# Allegro board LAY-31407_C2.brd (continued)
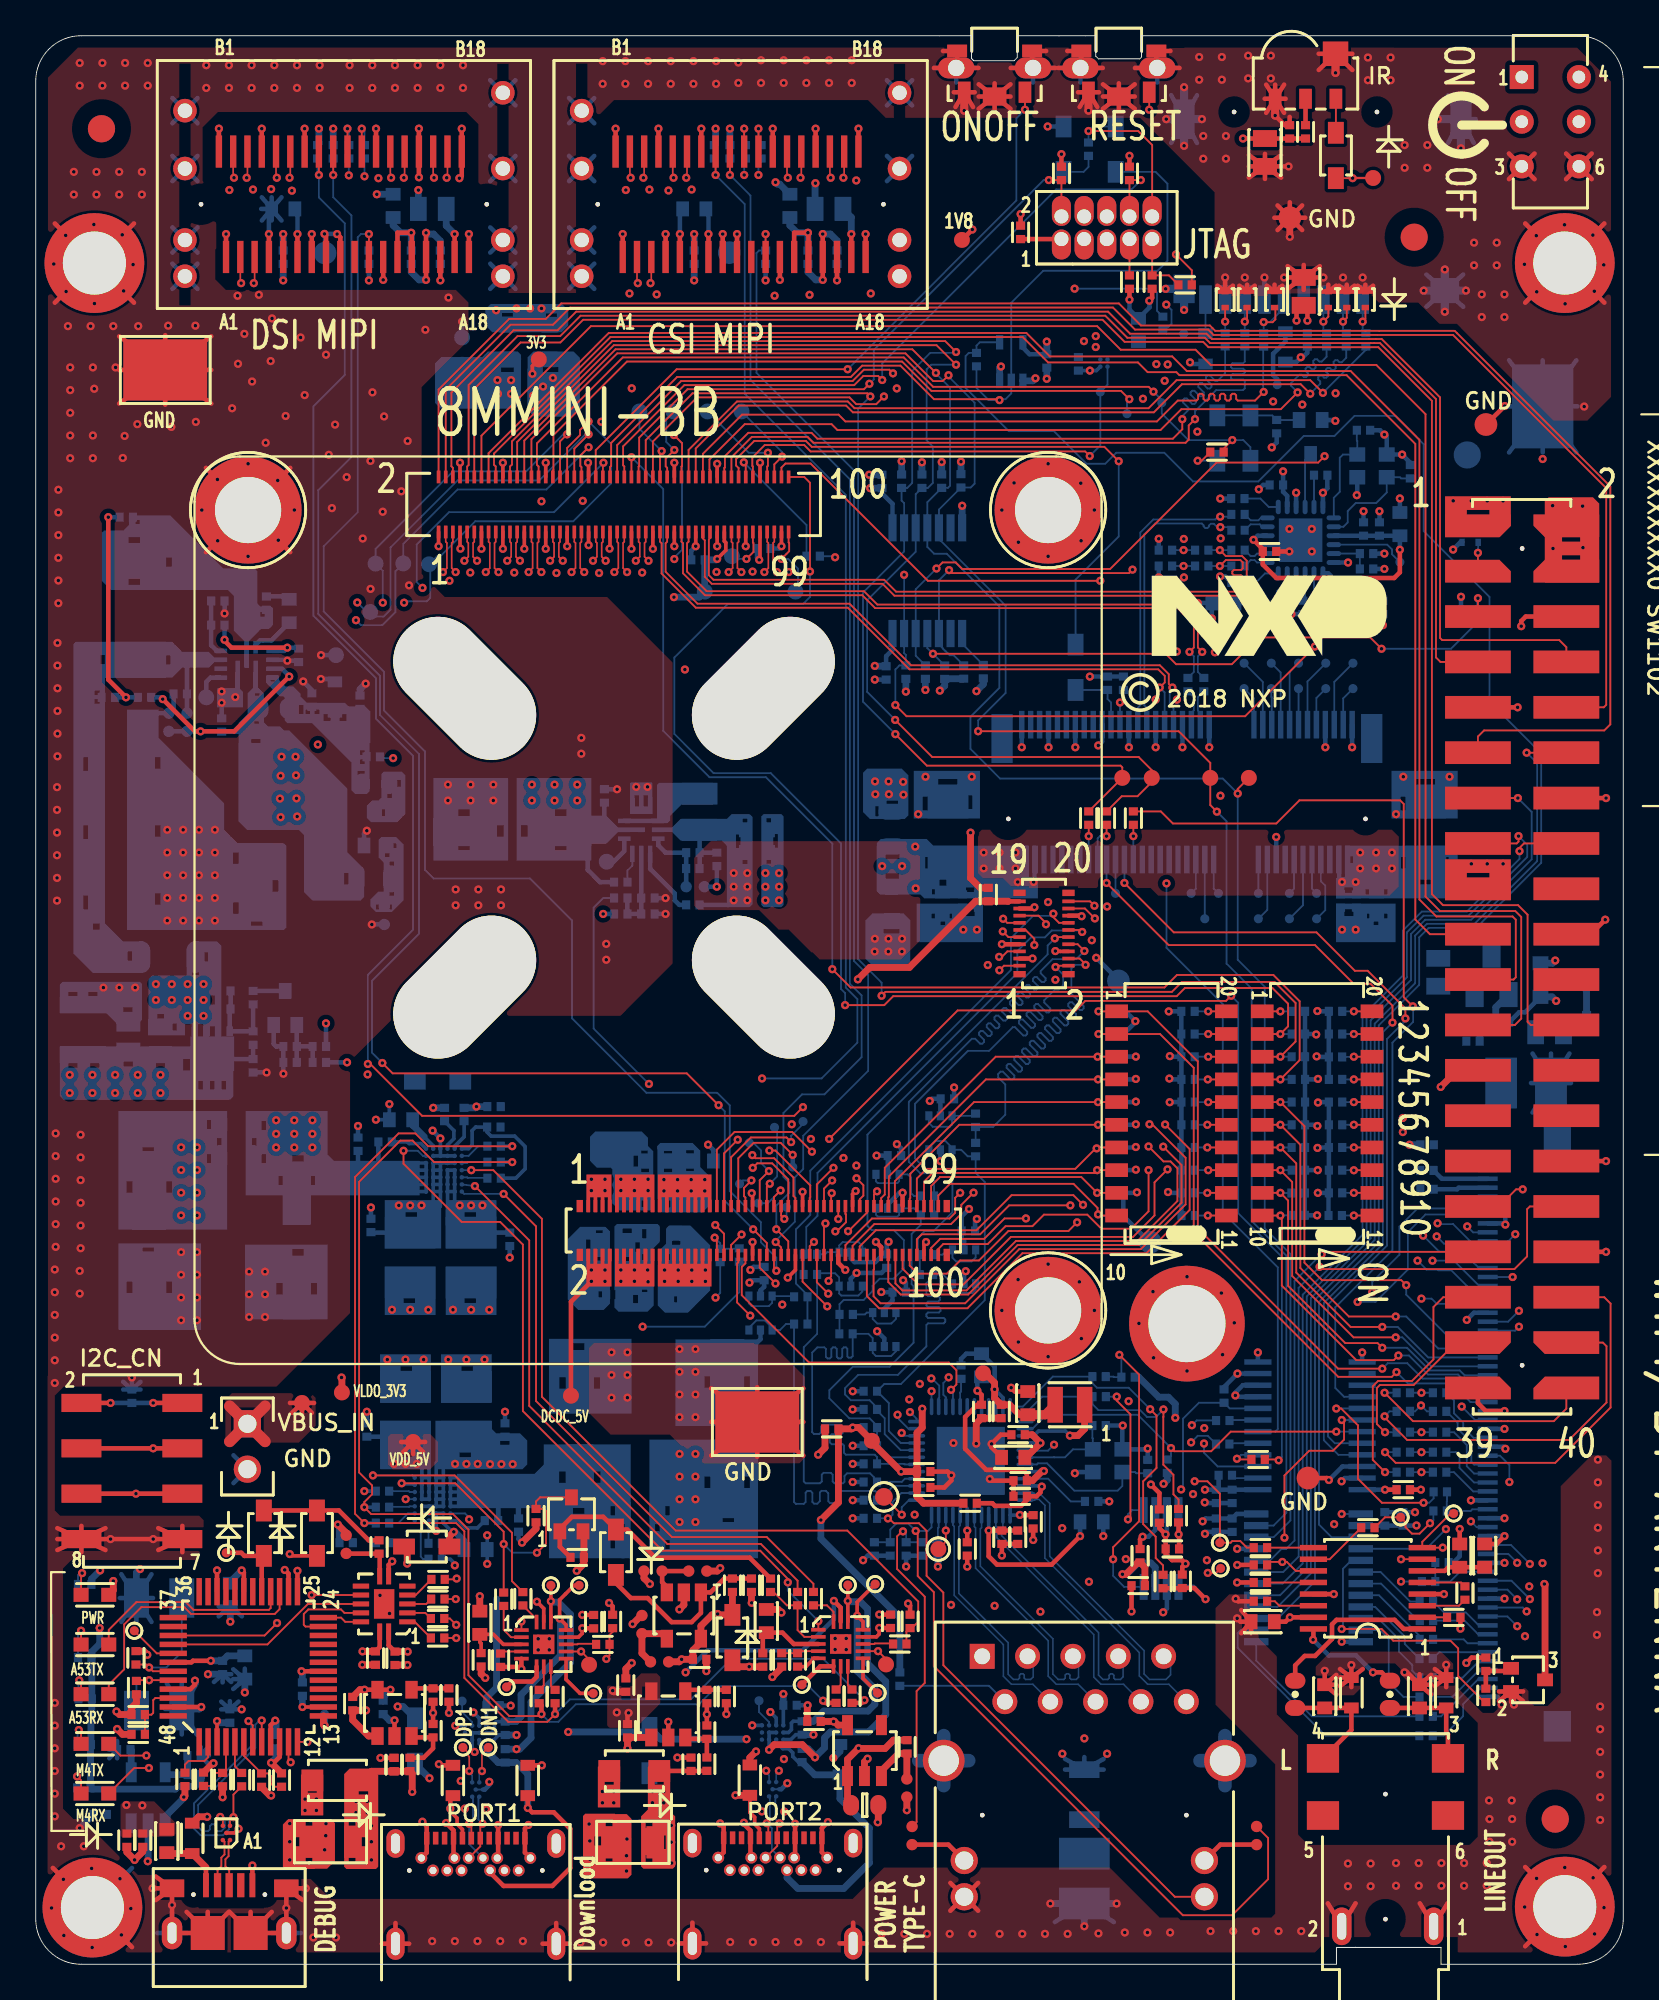
[diagram p0: board, top side]
## Routing (per net, layer and track width the routed paths; a pad name or vN(x,y) marks a point on that pad's centre or on a via; arc(x,y) is an arc through that point) (continued)
  L4_POWER_1 w0.254: 45.04,6.78 J302.SH2 ; J302.SH2 45.77,7.81 ; J302.SH2 46.51,6.78 ; J302.SH2 45.77,5.75 ; 1.07,93.01 BH1201.1 ; BH1201.1 1.07,97.44 ; BH1201.1 5.5,97.44 ; BH1201.1 5.5,93.01 ; 52.27,17.97 J501.1 ; J501.1 53.73,16.51 ; J501.1 52.27,16.51 ; J501.1 53.73,17.97 ; 6.81,1.75 J901.S1 ; J901.S1 7.63,2.92 ; J901.S1 8.46,1.75 ; J801.T4 9.06,103.05 ; J801.T4 9.06,104.46 ; J801.T4 7.65,104.46 ; J801.T4 7.65,103.05 ; 28.41,6.76 J301.SH2 ; J301.SH2 29.15,5.73 ; J301.SH2 29.88,6.76 ; J301.SH2 29.15,7.79 ; 21.12,6.42 J301.B12 22.07,6.42 ; J801.T8 26.86,104.05 ; J801.T8 25.45,105.46 ; J801.T8 25.45,104.05 ; J801.T8 26.86,105.46 ; 7.65,93.78 J801.T1 ; J801.T1 9.06,95.19 ; J801.T1 9.06,93.78 ; J801.T1 7.65,95.19 ; 28.17,6.42 J301.B1 27.22,6.42 ; SW902.6 62.8,106.96 ; SW902.6 61.56,106.15 ; SW902.6 62.8,105.33 ; SW902.6 64.05,106.15 ; J302.SH3 36.77,2.33 ; J302.SH3 37.54,1.17 ; J302.SH3 36.01,1.17 ; 11.08,28.49 J101.2 ; J101.2 12.63,26.94 ; J101.2 11.08,26.94 ; J101.2 12.63,28.49 ; 79.06,3.41 J401.1 77.51,3.41 ; BH1203.1 5.39,5.39 ; BH1203.1 5.39,0.96 ; BH1203.1 0.96,5.39 ; SW901.6 57.09,106.15 ; SW901.6 54.6,106.15 ; SW901.6 55.85,106.96 ; SW901.6 55.85,105.33 ; 47.67,105.46 J802.T8 ; J802.T8 49.08,104.05 ; J802.T8 47.67,104.05 ; J802.T8 49.08,105.46 ; 73.91,3.41 J401.2 72.36,3.41 ; 20.15,5.73 J301.SH1 ; J301.SH1 20.88,6.76 ; J301.SH1 20.15,7.79 ; J301.SH1 19.41,6.76 ; J302.SH4 45.77,2.33 ; J302.SH4 45.01,1.17 ; J302.SH4 46.54,1.17 ; J501.12 52.77,4.55 ; J501.12 51.22,4.55 ; J501.12 51.22,3 ; J501.12 52.77,3 ; J801.T3 9.06,99.81 ; J801.T3 9.06,101.22 ; J801.T3 7.65,101.22 ; J801.T3 7.65,99.81 ; J302.SH1 37.51,6.78 ; J302.SH1 36.77,7.81 ; J302.SH1 36.77,5.75 ; 82.5,101.35 SW101.3 ; SW101.3 83.93,101.35 ; SW101.3 83.93,99.92 ; 83.41,97.44 BH1202.1 ; BH1202.1 87.84,97.44 ; BH1202.1 87.84,93.01 ; 83.41,1.01 BH1204.1 ; BH1204.1 83.41,5.44 ; BH1204.1 87.84,5.44 ; 38.69,6.44 J302.B12 37.75,6.44 ; 50.3,106.15 SW901.7 ; SW901.7 52.79,106.15 ; SW901.7 51.55,106.96 ; SW901.7 51.55,105.33 ; J301.SH4 29.15,2.31 ; J301.SH4 29.91,1.15 ; J301.SH4 28.38,1.15 ; J301.SH3 20.91,1.15 ; J301.SH3 20.15,2.31 ; J301.SH3 19.38,1.15 ; 85.7,99.92 SW101.6 ; SW101.6 87.13,101.35 ; SW101.6 85.7,101.35 ; SW101.6 87.13,99.92 ; 29.87,104.46 J802.T4 31.28,104.46 ; 44.79,6.44 J302.B1 43.85,6.44 ; J801.T2 9.06,95.81 ; J801.T2 7.65,95.81 ; J801.T2 9.06,97.22 ; J801.T2 7.65,97.22 ; SW902.7 59.75,106.15 ; SW902.7 58.5,105.33 ; SW902.7 58.5,106.96 ; SW902.7 57.26,106.15 ; J901.S2 14.86,1.75 ; J901.S2 14.03,2.92 ; J901.S2 13.21,1.75
  L5_POWER_2 w0.254: J802.T2 31.28,95.81 ; J802.T2 29.87,95.81 ; J802.T2 29.87,97.22 ; J802.T2 31.28,97.22 ; J802.T5 49.08,93.78 ; J802.T5 49.08,95.19 ; J802.T5 47.67,95.19 ; J802.T5 47.67,93.78 ; J801.T4 9.06,103.05 ; J801.T4 7.65,103.05 ; J801.T4 7.65,104.46 ; J801.T4 9.06,104.46 ; BH1202.1 87.84,93.01 ; BH1202.1 83.41,97.44 ; BH1202.1 83.41,93.01 ; BH1202.1 87.84,97.44 ; 51.55,105.33 SW901.7 ; SW901.7 51.55,106.96 ; SW901.7 52.79,106.15 ; SW901.7 50.3,106.15 ; J302.SH4 45.77,2.33 ; J302.SH4 46.54,1.17 ; J302.SH4 45.01,1.17 ; 29.87,101.22 J802.T3 ; J802.T3 31.28,99.81 ; J802.T3 31.28,101.22 ; J802.T3 29.87,99.81 ; 7.65,99.81 J801.T3 ; J801.T3 7.65,101.22 ; J801.T3 9.06,101.22 ; J801.T3 9.06,99.81 ; J801.T2 9.06,97.22 ; J801.T2 7.65,95.81 ; J801.T2 7.65,97.22 ; J801.T2 9.06,95.81 ; 82.5,99.92 SW101.3 ; SW101.3 82.5,101.35 ; SW101.3 83.93,99.92 ; SW101.3 83.93,101.35 ; 25.45,105.46 J801.T8 ; J801.T8 26.86,104.05 ; J801.T8 26.86,105.46 ; J801.T8 25.45,104.05 ; 57.95,95.2 J902.3 59.47,95.2 ; J802.T1 31.28,95.19 ; J802.T1 29.87,93.78 ; J802.T1 29.87,95.19 ; J802.T1 31.28,93.78 ; 72.36,3.41 J401.2 73.91,3.41 ; 1.07,97.44 BH1201.1 ; BH1201.1 5.5,97.44 ; BH1201.1 5.5,93.01 ; BH1201.1 1.07,93.01 ; J802.T8 49.08,104.05 ; J802.T8 47.67,105.46 ; J802.T8 47.67,104.05 ; J802.T8 49.08,105.46 ; J801.T5 26.86,93.78 ; J801.T5 25.45,95.19 ; J801.T5 25.45,93.78 ; J801.T5 26.86,95.19 ; J302.SH3 36.77,2.33 ; J302.SH3 36.01,1.17 ; J302.SH3 37.54,1.17 ; 60.74,95.2 J902.5 59.22,95.2 ; 7.65,95.19 J801.T1 ; J801.T1 9.06,95.19 ; J801.T1 9.06,93.78 ; J801.T1 7.65,93.78 ; 77.51,3.41 J401.1 79.06,3.41 ; J802.T4 31.28,104.46 ; J802.T4 29.87,103.05 ; J802.T4 31.28,103.05 ; J802.T4 29.87,104.46 ; 62.8,105.33 SW902.6 ; SW902.6 62.8,106.96 ; SW902.6 64.05,106.15 ; SW902.6 61.56,106.15 ; J301.SH4 29.15,2.31 ; J301.SH4 28.38,1.15 ; J301.SH4 29.91,1.15 ; J801.T7 26.86,101.22 ; J801.T7 25.45,101.22 ; J801.T7 25.45,99.81 ; J801.T7 26.86,99.81 ; SW101.6 87.13,101.35 ; SW101.6 87.13,99.92 ; SW101.6 85.7,99.92 ; SW101.6 85.7,101.35 ; BH1203.1 5.39,5.39 ; BH1203.1 5.39,0.96 ; BH1203.1 0.96,5.39 ; J802.T6 49.08,95.81 ; J802.T6 47.67,95.81 ; J802.T6 49.08,97.22 ; J802.T6 47.67,97.22 ; 47.67,99.81 J802.T7 ; J802.T7 47.67,101.22 ; J802.T7 49.08,101.22 ; J802.T7 49.08,99.81 ; J801.T6 26.86,95.81 ; J801.T6 25.45,95.81 ; J801.T6 26.86,97.22 ; J801.T6 25.45,97.22 ; SW901.6 57.09,106.15 ; SW901.6 55.85,105.33 ; SW901.6 55.85,106.96 ; SW901.6 54.6,106.15 ; 19.38,1.15 J301.SH3 ; J301.SH3 20.15,2.31 ; J301.SH3 20.91,1.15 ; SW902.7 58.5,106.96 ; SW902.7 57.26,106.15 ; SW902.7 58.5,105.33 ; SW902.7 59.75,106.15 ; BH1204.1 87.84,5.44 ; BH1204.1 83.41,5.44 ; BH1204.1 83.41,1.01 ; 9.53,83.76 BH1209.1 ; BH1209.1 14.25,83.76 ; BH1209.1 9.53,79.04 ; BH1209.1 14.25,79.04 ; 13.21,1.75 J901.S2 ; J901.S2 14.03,2.92 ; J901.S2 14.86,1.75 ; J501.12 52.77,4.55 ; J501.12 52.77,3 ; J501.12 51.22,4.55 ; J501.12 51.22,3 ; J901.S1 8.46,1.75 ; J901.S1 7.63,2.92 ; J901.S1 6.81,1.75
  L6_IN2 w0.254: SW101.6 87.13,101.35 ; SW101.6 85.7,99.92 ; SW101.6 85.7,101.35 ; SW101.6 87.13,99.92 ; 72.36,3.41 J401.2 73.91,3.41 ; J801.T3 9.06,101.22 ; J801.T3 7.65,99.81 ; J801.T3 9.06,99.81 ; J801.T3 7.65,101.22 ; 83.41,93.01 BH1202.1 ; BH1202.1 87.84,93.01 ; BH1202.1 83.41,97.44 ; BH1202.1 87.84,97.44 ; 61.56,106.15 SW902.6 ; SW902.6 62.8,106.96 ; SW902.6 62.8,105.33 ; SW902.6 64.05,106.15 ; J501.12 52.77,4.55 ; J501.12 51.22,3 ; J501.12 51.22,4.55 ; J501.12 52.77,3 ; 25.45,104.05 J801.T8 ; J801.T8 25.45,105.46 ; J801.T8 26.86,104.05 ; J801.T8 26.86,105.46 ; J801.T4 9.06,104.46 ; J801.T4 9.06,103.05 ; J801.T4 7.65,104.46 ; J801.T4 7.65,103.05 ; 29.87,103.05 J802.T4 ; J802.T4 31.28,104.46 ; J802.T4 29.87,104.46 ; J802.T4 31.28,103.05 ; 47.67,105.46 J802.T8 ; J802.T8 49.08,104.05 ; J802.T8 47.67,104.05 ; J802.T8 49.08,105.46 ; J301.SH2 29.88,6.76 ; J301.SH2 29.15,5.73 ; J301.SH2 28.41,6.76 ; J301.SH2 29.15,7.79 ; J901.S1 8.46,1.75 ; J901.S1 7.63,2.92 ; J901.S1 6.81,1.75 ; 36.01,1.17 J302.SH3 ; J302.SH3 36.77,2.33 ; J302.SH3 37.54,1.17 ; 0.96,5.39 BH1203.1 ; BH1203.1 5.39,5.39 ; BH1203.1 5.39,0.96 ; J301.SH3 20.15,2.31 ; J301.SH3 19.38,1.15 ; J301.SH3 20.91,1.15 ; SW902.7 58.5,106.96 ; SW902.7 58.5,105.33 ; SW902.7 59.75,106.15 ; SW902.7 57.26,106.15 ; 20.15,5.73 J301.SH1 ; J301.SH1 20.15,7.79 ; J301.SH1 20.88,6.76 ; J301.SH1 19.41,6.76 ; 82.5,101.35 SW101.3 ; SW101.3 83.93,99.92 ; SW101.3 82.5,99.92 ; SW101.3 83.93,101.35 ; 55.85,105.33 SW901.6 ; SW901.6 57.09,106.15 ; SW901.6 54.6,106.15 ; SW901.6 55.85,106.96 ; J302.SH4 46.54,1.17 ; J302.SH4 45.77,2.33 ; J302.SH4 45.01,1.17 ; 43.85,6.44 J302.B1 44.79,6.44 ; 27.22,6.42 J301.B1 28.17,6.42 ; 13.21,1.75 J901.S2 ; J901.S2 14.86,1.75 ; J901.S2 14.03,2.92 ; BH1204.1 87.84,5.44 ; BH1204.1 83.41,5.44 ; BH1204.1 83.41,1.01 ; SW901.7 51.55,106.96 ; SW901.7 51.55,105.33 ; SW901.7 52.79,106.15 ; SW901.7 50.3,106.15 ; J302.SH1 36.77,7.81 ; J302.SH1 36.77,5.75 ; J302.SH1 37.51,6.78 ; 38.69,6.44 J302.B12 37.75,6.44 ; 1.07,93.01 BH1201.1 ; BH1201.1 1.07,97.44 ; BH1201.1 5.5,93.01 ; BH1201.1 5.5,97.44 ; 45.04,6.78 J302.SH2 ; J302.SH2 46.51,6.78 ; J302.SH2 45.77,7.81 ; J302.SH2 45.77,5.75 ; J301.SH4 29.91,1.15 ; J301.SH4 28.38,1.15 ; J301.SH4 29.15,2.31 ; 77.51,3.41 J401.1 79.06,3.41 ; 53.73,16.51 J501.1 52.27,16.51 ; 22.07,6.42 J301.B12 21.12,6.42
  L7_GND2 w0.254: BH1208.1 59.05,38.96 ; BH1208.1 54.33,34.24 ; BH1208.1 59.05,34.24 ; BH1208.1 54.33,38.96 ; 57.26,106.15 SW902.7 ; SW902.7 58.5,106.96 ; SW902.7 59.75,106.15 ; SW902.7 58.5,105.33 ; 85.7,99.92 SW101.6 ; SW101.6 87.13,101.35 ; SW101.6 87.13,99.92 ; SW101.6 85.7,101.35 ; J801.T8 26.86,105.46 ; J801.T8 25.45,105.46 ; J801.T8 26.86,104.05 ; J801.T8 25.45,104.05 ; 29.87,95.19 J802.T1 ; J802.T1 31.28,93.78 ; J802.T1 31.28,95.19 ; J802.T1 29.87,93.78 ; J802.T5 49.08,93.78 ; J802.T5 49.08,95.19 ; J802.T5 47.67,95.19 ; J802.T5 47.67,93.78 ; 59.22,95.2 J902.5 60.74,95.2 ; 62.04,33.43 BH1206.1 ; BH1206.1 62.04,38.29 ; BH1206.1 66.89,38.29 ; BH1206.1 66.89,33.43 ; 9.53,83.76 BH1209.1 ; BH1209.1 9.53,79.04 ; BH1209.1 14.25,79.04 ; BH1209.1 14.25,83.76 ; J801.T2 9.06,97.22 ; J801.T2 7.65,97.22 ; J801.T2 9.06,95.81 ; J801.T2 7.65,95.81 ; J501.12 52.77,4.55 ; J501.12 52.77,3 ; J501.12 51.22,3 ; J501.12 51.22,4.55 ; 36.01,1.17 J302.SH3 ; J302.SH3 37.54,1.17 ; J302.SH3 36.77,2.33 ; BH1201.1 5.5,93.01 ; BH1201.1 1.07,97.44 ; BH1201.1 1.07,93.01 ; BH1201.1 5.5,97.44 ; 7.65,93.78 J801.T1 ; J801.T1 9.06,95.19 ; J801.T1 7.65,95.19 ; J801.T1 9.06,93.78 ; 54.33,83.76 BH1207.1 ; BH1207.1 59.05,79.04 ; BH1207.1 59.05,83.76 ; BH1207.1 54.33,79.04 ; BH1202.1 87.84,97.44 ; BH1202.1 83.41,97.44 ; BH1202.1 83.41,93.01 ; BH1202.1 87.84,93.01 ; 29.87,103.05 J802.T4 ; J802.T4 29.87,104.46 ; J802.T4 31.28,103.05 ; J802.T4 31.28,104.46 ; J301.SH4 29.15,2.31 ; J301.SH4 29.91,1.15 ; J301.SH4 28.38,1.15 ; 11.08,28.49 J101.2 ; J101.2 11.08,26.94 ; J101.2 12.63,28.49 ; J101.2 12.63,26.94 ; SW901.6 57.09,106.15 ; SW901.6 54.6,106.15 ; SW901.6 55.85,106.96 ; SW901.6 55.85,105.33 ; J301.SH3 20.91,1.15 ; J301.SH3 19.38,1.15 ; J301.SH3 20.15,2.31 ; J302.SH2 46.51,6.78 ; J302.SH2 45.04,6.78 ; J302.SH2 45.77,7.81 ; J302.SH2 45.77,5.75 ; BH1203.1 5.39,5.39 ; BH1203.1 0.96,5.39 ; BH1203.1 5.39,0.96 ; 47.67,99.81 J802.T7 ; J802.T7 49.08,99.81 ; J802.T7 49.08,101.22 ; J802.T7 47.67,101.22 ; J801.T7 26.86,99.81 ; J801.T7 25.45,99.81 ; J801.T7 25.45,101.22 ; J801.T7 26.86,101.22 ; 52.27,16.51 J501.1 ; J501.1 52.27,17.97 ; J501.1 53.73,17.97 ; J501.1 53.73,16.51 ; J802.T8 49.08,105.46 ; J802.T8 47.67,105.46 ; J802.T8 47.67,104.05 ; J802.T8 49.08,104.05 ; 7.65,104.46 J801.T4 ; J801.T4 7.65,103.05 ; J801.T4 9.06,104.46 ; J801.T4 9.06,103.05 ; 22.07,6.42 J301.B12 21.12,6.42 ; 73.91,3.41 J401.2 72.36,3.41 ; J302.SH1 37.51,6.78 ; J302.SH1 36.77,7.81 ; J302.SH1 36.77,5.75 ; J901.S1 7.63,2.92 ; J901.S1 6.81,1.75 ; J901.S1 8.46,1.75 ; 59.47,95.2 J902.3 57.95,95.2 ; J802.T2 31.28,95.81 ; J802.T2 29.87,95.81 ; J802.T2 31.28,97.22 ; J802.T2 29.87,97.22 ; J801.T3 9.06,101.22 ; J801.T3 9.06,99.81 ; J801.T3 7.65,99.81 ; J801.T3 7.65,101.22 ; 79.06,3.41 J401.1 77.51,3.41 ; 25.45,95.19 J801.T5 ; J801.T5 25.45,93.78 ; J801.T5 26.86,93.78 ; J801.T5 26.86,95.19 ; SW902.6 62.8,106.96 ; SW902.6 61.56,106.15 ; SW902.6 64.05,106.15 ; SW902.6 62.8,105.33 ; J302.SH4 46.54,1.17 ; J302.SH4 45.77,2.33 ; J302.SH4 45.01,1.17 ; 47.67,97.22 J802.T6 ; J802.T6 47.67,95.81 ; J802.T6 49.08,97.22 ; J802.T6 49.08,95.81 ; 29.87,99.81 J802.T3 ; J802.T3 31.28,101.22 ; J802.T3 29.87,101.22 ; J802.T3 31.28,99.81 ; J301.SH2 29.15,7.79 ; J301.SH2 29.88,6.76 ; J301.SH2 28.41,6.76 ; J301.SH2 29.15,5.73 ; J901.S2 14.03,2.92 ; J901.S2 13.21,1.75 ; J901.S2 14.86,1.75 ; 25.45,95.81 J801.T6 ; J801.T6 25.45,97.22 ; J801.T6 26.86,95.81 ; J801.T6 26.86,97.22 ; 37.75,6.44 J302.B12 38.69,6.44 ; SW901.7 52.79,106.15 ; SW901.7 50.3,106.15 ; SW901.7 51.55,105.33 ; SW901.7 51.55,106.96 ; SW101.3 83.93,99.92 ; SW101.3 83.93,101.35 ; SW101.3 82.5,99.92 ; SW101.3 82.5,101.35 ; 43.85,6.44 J302.B1 44.79,6.44 ; 20.15,5.73 J301.SH1 ; J301.SH1 20.15,7.79 ; J301.SH1 19.41,6.76 ; J301.SH1 20.88,6.76 ; 83.41,5.44 BH1204.1 ; BH1204.1 87.84,5.44 ; BH1204.1 83.41,1.01 ; 27.22,6.42 J301.B1 28.17,6.42
  BOTTOM w0.102: 41.65,9.8 U309.B1 ; 25.04,9.78 U307.B1
  BOTTOM w0.203: U310.B3 41.47,13.79 v1(41.14,14.12) ; v1(23.47,22.33) 23.42,22.38 23.42,22.47 23.22,22.67 R328.1 C316.2 ; U310.D3 v1(40.12,13.37) ; U305.B4 U305.B3 U305.B2 ; U305.B4 U305.B5 ; U305.B4 U305.A4 v1(22.66,46.23) ; U308.B3 24.84,13.77 v1(24.51,14.1) ; U302.B4 U302.A4 v1(22.42,24.26) ; U302.B4 U302.B3 U302.B2 ; U302.B4 U302.B5 ; U308.D3 v1(23.5,13.35) ; C702.2 v1(59.03,89.21) 59.4,89.21 U702.B2 ; v1(25.28,22.41) C317.2 v1(25.28,24.01) ; v1(19.8,48.15) C334.2 v1(19.05,47.27) ; R329.1 v1(18.4,26.48)
  BOTTOM w0.254: R1130.2 61.58,46.99 v1(61.6,47.02) ; Q604.2 72.73,86.44 v1(72.78,86.39) ; BH1201.1 5.5,97.44 ; BH1201.1 1.07,93.01 ; BH1201.1 1.07,97.44 ; BH1201.1 5.5,93.01 ; v1(72.41,27.11) 73.17,27.86 U202.22 ; U507.2 51.99,38.7 v1(52.08,38.79) ; 9.53,83.76 BH1209.1 14.25,83.76 ; Y601.4 74,82.26 v1(73.98,82.23) ; TP1203.1 84.39,89.78 ; TP1203.1 82.51,84.62 ; TP1203.1 86.33,87.2 ; TP1203.1 82.51,89.78 ; TP1203.1 86.27,89.78 ; TP1203.1 86.27,84.62 ; TP1203.1 84.39,84.62 ; TP1203.1 82.44,87.2 ; TP1204.1 60.63,55.09 v1(59.39,56.34) ; J302.SH4 46.54,1.17 ; J302.SH4 45.77,2.33 ; J302.SH4 45.01,1.17 ; U202.9 67.25,31.76 v1(67.18,31.84) 67.18,32 67.59,32.41 U202.10 ; J801.T6 26.86,97.22 ; J801.T6 26.86,95.81 ; J801.T6 25.45,97.22 ; J801.T6 25.45,95.81 ; 9.98,15.8 C910.2 ; C910.2 10.95,15.8 ; C910.2 10.95,16.24 ; C910.2 10.46,15.78 ; R522.2 v1(45.75,26.99) ; SW902.7 58.5,106.96 ; SW902.7 59.75,106.15 ; SW902.7 58.5,105.33 ; SW902.7 57.26,106.15 ; TP911.1 v1(15.98,73.28) ; v1(61.6,49.56) 61.58,49.53 R1126.2 ; J701.12 80.63,103.28 ; J701.12 79.81,104.62 ; J701.12 80.53,104.62 ; J701.12 80.53,101.95 ; J701.12 79.08,104.62 ; J701.12 79.08,101.95 ; v1(61.6,48.29) 61.58,48.26 R1128.2 ; 54.6,106.15 SW901.6 ; SW901.6 55.85,105.33 ; SW901.6 55.85,106.96 ; SW901.6 57.09,106.15 ; J801.T5 26.86,95.19 ; J801.T5 25.45,93.78 ; J801.T5 25.45,95.19 ; J801.T5 26.86,93.78 ; J601.75 v1(55.22,68.12) ; J801.T1 9.06,93.78 ; J801.T1 7.65,93.78 ; J801.T1 9.06,95.19 ; J801.T1 7.65,95.19 ; 12.66,98.9 C801.2 ; C801.2 13.06,98.1 v1(13.06,96.85) ; C801.2 13.76,98.9 ; C801.2 13.21,97.61 ; C801.2 13.76,97.61 ; C801.2 12.66,97.61 ; C801.2 12.63,98.26 ; C801.2 13.21,98.9 ; 10.39,14.27 C911.2 ; C911.2 10.39,14.7 ; C911.2 10.87,14.73 ; C911.2 11.35,14.7 ; C911.2 v1(11.53,14.27) ; 47.67,104.05 J802.T8 ; J802.T8 49.08,105.46 ; J802.T8 49.08,104.05 ; J802.T8 47.67,105.46 ; 7.65,95.81 J801.T2 ; J801.T2 9.06,97.22 ; J801.T2 9.06,95.81 ; J801.T2 7.65,97.22 ; C106.2 7.72,70.29 R109.2 6.69,70.03 ; 8.18,12.86 X901.4 ; X901.4 8.18,15.71 ; X901.4 9.01,15.71 ; X901.4 7.25,14.29 ; X901.4 9.01,12.86 ; X901.4 7.35,15.71 ; X901.4 7.35,12.86 ; C322.2 v1(18.77,42.36) ; J801.T8 26.86,105.46 ; J801.T8 25.45,105.46 ; J801.T8 25.45,104.05 ; J801.T8 26.86,104.05 ; 4.8,21.83 X901.2 ; X901.2 4.8,19.16 ; X901.2 4.71,20.5 ; X901.2 6.57,20.5 ; X901.2 5.64,19.16 ; X901.2 6.48,19.16 ; X901.2 6.48,21.83 ; 0.96,5.39 BH1203.1 ; BH1203.1 5.39,5.39 ; BH1203.1 5.39,0.96 ; R215.2 66.54,32.31 v1(67.3,33.06) U202.11 ; SW901.7 51.55,106.96 ; SW901.7 50.3,106.15 ; SW901.7 51.55,105.33 ; SW901.7 52.79,106.15 ; v1(65.46,25.85) 65.5,25.81 C206.2 C205.2 ; v1(13.87,49.85) R133.2 C145.2 13.47,51.37 13.32,51.52 Q102.2 ; U201.12 v1(73.13,18.06) ; v1(48.54,43.19) 48.37,43.19 47.7,42.52 U502.2 ; v1(36.96,79.38) 36.71,79.12 C215.2 ; R1120.2 61.03,53.34 v1(61.58,52.79) 61.58,52.73 R1122.2 ; SW101.6 87.13,101.35 ; SW101.6 85.7,99.92 ; SW101.6 85.7,101.35 ; SW101.6 87.13,99.92 ; D1002.A 79.77,79.59 v1(79.37,79.19) ; 4.9,32.6 C1003.2 ; C1003.2 5.87,32.6 ; C1003.2 v1(5.38,32.84) ; C1003.2 4.9,32.17 ; C1003.2 5.87,32.17 ; 29.87,95.81 J802.T2 ; J802.T2 31.28,97.22 ; J802.T2 31.28,95.81 ; J802.T2 29.87,97.22 ; R1118.2 v1(71.79,44.45) ; R1118.2 R1116.2 R1114.2 ; R1118.2 71.07,44.44 R1102.2 R1136.2 v1(71.76,41.92) ; J302.SH3 37.54,1.17 ; J302.SH3 36.01,1.17 ; J302.SH3 36.77,2.33 ; U508.2 63.34,19.91 v1(63.13,19.7) ; 47.67,101.22 J802.T7 ; J802.T7 49.08,101.22 ; J802.T7 47.67,99.81 ; 61.56,106.15 SW902.6 ; SW902.6 64.05,106.15 ; SW902.6 62.8,106.96 ; SW902.6 62.8,105.33 ; 83.41,93.01 BH1202.1 ; BH1202.1 87.84,97.44 ; BH1202.1 83.41,97.44 ; BH1202.1 87.84,93.01 ; 11.08,28.49 J101.2 11.08,26.94 ; Q903.2 18.39,63.29 v1(18.54,63.45) ; J802.T3 31.28,101.22 ; J802.T3 31.28,99.81 ; J802.T3 29.87,99.81 ; J802.T3 29.87,101.22 ; C117.2 v1(35.27,59.68) ; 29.87,93.78 J802.T1 ; J802.T1 29.87,95.19 ; J802.T1 31.28,93.78 ; J802.T1 31.28,95.19 ; C514.2 R520.2 v1(48.74,22.26) ; J701.13 79.93,94.58 ; J701.13 79.93,92.78 ; J701.13 77.88,92.78 ; J701.13 77.88,94.58 ; 79.06,3.41 J401.1 77.51,3.41 ; C329.2 v1(26.54,39.56) ; v1(27.23,23.6) 27.04,23.79 C308.2 ; 60.37,2.36 C517.1 57.07,2.36 ; 7.65,101.22 J801.T3 ; J801.T3 9.06,99.81 ; J801.T3 9.06,101.22 ; J801.T3 7.65,99.81 ; C337.2 v1(26.6,14.48) ; J601.63 v1(58.22,68.12) ; J601.39 v1(64.22,68.12) ; 63.58,104.62 J701.11 ; J701.11 65.03,101.95 ; J701.11 63.58,101.95 ; J701.11 65.03,104.62 ; R1106.2 R1108.2 R1110.2 ; R1106.2 R1104.2 ; R1106.2 71.68,52.07 v1(71.7,52.04) ; J601.45 v1(62.72,68.12) ; v1(70.2,79.08) 69.82,79.46 68.97,79.46 ; v1(37.67,96.85) 37.67,98.11 C813.2 ; 40.23,34.63 40.58,34.99 U505.2 ; v1(82.3,28.85) 82.18,28.97 J1001.32 ; C201.2 C204.2 v1(77.24,25.31) ; 41.65,9.8 41.75,9.8 v1(42.09,10.13) ; 10.25,19.48 C906.2 ; C906.2 10.25,20.03 ; C906.2 11.54,19.48 ; R1110.2 71.78,49.53 v1(71.8,49.56) ; R1110.2 R1112.2 R1114.2 ; C604.2 v1(72.77,74.96) ; 25.45,99.81 J801.T7 ; J801.T7 26.86,99.81 ; J801.T7 26.86,101.22 ; J801.T7 25.45,101.22 ; C613.2 75.28,85.87 v1(75.52,85.62) 75.65,85.49 Y601.2 v1(76.52,84.51) 76.97,84.05 C614.2 ; 83.41,1.01 BH1204.1 ; BH1204.1 87.84,5.44 ; BH1204.1 83.41,5.44 ; v1(68.49,82.56) 68.73,82.8 C609.2 ; v1(40.02,38.86) 40.19,39.04 C526.2 ; C141.2 v1(12.93,49.92) ; J601.1 v1(73.72,68.12) ; J1001.60 81.83,14.97 82.09,14.71 v1(82.09,14.53) ; v1(66.33,82.04) R619.1 ; 11.06,16.51 C912.2 ; C912.2 11.06,15.41 ; C912.2 11.06,15.96 ; C912.2 11.71,16.55 ; C603.2 v1(73.66,74.96) ; C608.2 v1(68.71,74.83) ; J601.57 59.72,68.44 v1(59.5,68.22) ; C325.2 v1(18.05,46.92) ; v1(64.64,89.67) 64.73,89.57 TVS701.1 ; R517.2 v1(45.75,29.03) ; C611.2 v1(69.6,74.83) ; C220.2 v1(46.99,71.91) ; 6.81,1.75 J901.S1 ; J901.S1 7.63,2.92 ; J901.S1 8.46,1.75 ; 4.56,11.53 C917.2 ; C917.2 4.12,12.5 ; C917.2 4.12,11.53 ; C917.2 4.1,12.01 ; C917.2 4.56,12.5 ; C518.2 v1(60.87,30.16) 60.85,30.13 Y501.2 62.22,28.82 v1(62.27,28.87) C519.2 ; C520.2 48.46,45.67 v1(48.22,45.91) ; C105.2 v1(10.41,70.61) ; v1(48.57,38.29) 48.73,38.14 C522.2 ; R514.1 59.8,10.9 ; R514.1 59.8,11.49 ; R514.1 57.64,11.49 ; R514.1 58.72,11.59 ; R514.1 57.64,10.9 ; v1(46.33,22.62) 46.59,22.87 R525.2 C515.2 ; U201.21 v1(67.28,23.26) ; 82.5,101.35 SW101.3 ; SW101.3 82.5,99.92 ; SW101.3 83.93,101.35 ; SW101.3 83.93,99.92 ; 7.65,104.46 J801.T4 ; J801.T4 9.06,104.46 ; J801.T4 9.06,103.05 ; J801.T4 7.65,103.05 ; C114.2 14.65,72.97 v1(14.09,72.97) 14.04,73.02 U101.10 ; R1134.2 61.58,44.45 v1(61.6,44.48) ; C527.2 52.6,41.62 v1(52.7,41.72) ; J1001.30 v1(82.25,29.97) ; v1(22.23,46.66) v1(22.66,46.23) ; v1(80.14,36.07) 80.54,36.47 J1001.17 ; C338.2 v1(43.22,14.5) ; TP904.1 v1(23.88,91.95) ; C918.2 9.7,11.68 ; C918.2 9.67,12.17 ; C918.2 9.67,11.2 ; C918.2 9.24,12.17 ; J802.T4 31.28,104.46 ; J802.T4 29.87,104.46 ; J802.T4 31.28,103.05 ; J802.T4 29.87,103.05 ; 29.91,1.15 J301.SH4 28.38,1.15 ; v1(14.98,71.81) 15.46,71.32 C113.2 ; 20.91,1.15 J301.SH3 19.38,1.15 ; R622.2 v1(62.89,79.79) ; TP1209.1 62.37,40.42 R1140.2 60.9,43.15 R1139.2 61.63,43.18 v1(61.66,43.21) ; J1001.7 82.23,41.47 v1(82.3,41.4) 82.3,42.06 81.89,42.47 J1001.5 ; R108.2 v1(10.57,75.61) ; v1(15.97,71.94) 16.6,71.94 D101.A ; TVS702.1 70.59,89.68 70.84,89.94 v1(70.84,89.95) 70.95,89.95 71.21,90.21 C704.2 ; U601.21 v1(70.58,82.37) ; v1(25.4,10.21) 25.4,10.03 25.15,9.78 25.04,9.78 ; C525.2 v1(51.43,49.08) ; J1001.28 v1(82.25,30.97) ; R524.2 v1(45.75,25.98) ; 13.21,1.75 J901.S2 14.86,1.75 ; R625.1 v1(75.52,78.1) ; J601.7 v1(72.22,68.12) ; R515.2 v1(60.12,25.91) ; J1001.40 v1(82.25,24.97) ; C121.2 v1(38.14,60.32) R111.2 ; R521.2 v1(45.75,31.06) ; J601.69 v1(56.72,68.12) ; J601.18 v1(69.47,63.1) ; U503.2 45.64,38.37 v1(45.97,38.7) 47.36,38.7 C521.2 ; D1001.A v1(79.81,76.54) ; v1(61.25,93.18) 61.25,92.62 C708.2 62.37,92.74 62.37,93.1 v1(62.36,93.12) ; C313.2 v1(18.54,30.93) ; R620.1 72.33,82.62 v1(72.08,82.37) U601.24 ; R518.2 v1(45.75,28.01) ; v1(71.77,46.92) 71.7,46.99 R1114.2 ; C1001.2 85.88,47.67 ; C1001.2 85.88,50.98 ; C1001.2 84.85,50.98 ; C1001.2 83.82,47.67 ; C1001.2 84.85,47.67 ; C1001.2 83.82,50.98 ; C1001.2 83.73,49.33 ; C1001.2 85.97,49.33 ; U601.6 v1(73.49,78.46) ; J1001.42 v1(82.25,23.97) ; J1001.38 v1(80.37,25.97) ; U202.12 v1(68.44,34.25) ; U601.10 v1(70.58,77.05) ; v1(37.65,45.88) 37.95,45.58 C212.2 ; R621.2 v1(62.89,77.63) ; J1001.45 v1(82.25,22.47) ; J601.33 v1(65.72,68.12) ; R618.1 66.61,77.68 v1(66.32,77.68) ; v1(41.76,79.38) 41.63,79.25 C216.2 ; J1001.49 v1(82.25,20.47) ; v1(61.6,50.81) 60.92,50.81 R1124.2 ; 51.22,3 J501.12 52.77,3 ; v1(47.12,35.43) 47.52,35.03 U504.2 ; J601.51 v1(61.22,68.12) ; C605.2 v1(74.36,81.33) ; 73.91,3.41 J401.2 72.36,3.41 ; Y501.4 58.25,27.55 v1(58.19,27.49) ; R523.2 v1(45.75,32.07) ; R139.2 v1(18.82,58.2) ; C116.2 v1(32.55,65.77) ; R115.2 v1(35.27,58.79) ; U202.13 v1(74.28,34.25) ; v1(61.6,45.75) 61.58,45.72 R1132.2 ; U506.2 v1(50.66,44.95) ; C302.2 v1(26.28,30.93) ; C207.2 v1(77.57,26.56) ; v1(65.47,24.09) 65.58,24.2 C203.2 C202.2 ; C606.2 v1(75.25,81.33) ; C516.2 v1(45.75,24.96) ; J701.6 v1(68.81,94.42)
  BOTTOM w0.381: R330.1 24.61,47.94 v1(24.68,48.01) C331.2 ; v1(21.86,96.92) 21.93,96.85 22.28,96.85 22.66,96.47 C804.2 ; U903.2 6.3,5.79 v1(6.27,5.77) ; C913.2 14.94,16.35 v1(14.88,16.4) ; v1(55.98,88.77) 55.84,88.63 U204.1 ; v1(18.48,71.68) 18.16,71.37 C161.2 ; v1(44.07,94.28) 43.68,94.28 43.24,94.72 C806.2 ; v1(5.84,22.12) 5.64,21.92 X901.2 ; C906.2 v1(10.9,19.18) ; v1(43.66,99.69) 43.64,99.67 C815.2 ; v1(44.67,11.54) 45.03,11.91 TVS307.1 ; Q1002.2 84.94,56.03 v1(85.09,56.18) ; v1(41.43,99.75) 41.53,99.64 41.66,99.64 C811.2 ; C517.1 v1(60.53,3.4) ; C517.1 v1(58.72,2.13) ; C517.1 v1(56.82,3.4) ; C1002.2 v1(76.93,45.87) ; v1(13.41,13.64) 13.46,13.59 C914.2 ; v1(19.1,99.07) C814.2 ; X901.4 9.16,14.29 v1(9.27,14.4) ; C812.2 v1(21.43,99.31) ; v1(36.87,94.26) C805.2 ; C219.2 v1(46.67,83.38) ; C802.2 v1(13.86,94.26) ; C333.2 v1(22.26,47.94) ; C912.2 v1(11.71,15.21) ; v1(21.86,94.28) 21.47,94.28 21.03,94.72 C803.2 ; v1(20.09,13.65) 19.81,13.65 C342.2 ; C905.2 v1(2.46,7.62) ; v1(54.05,89.43) 53.98,89.36 U204.3 ; C807.2 44.87,96.48 44.5,96.85 v1(44.07,96.85) ; C910.2 v1(9.65,16.24) ; v1(16.92,24.61) 17.01,24.52 C314.2 ; C221.2 v1(56.62,88.75) ; U203.7 v1(51.88,81.64)
  BOTTOM w0.457: v1(63.27,93.78) J701.10 v1(64.31,92.6) ; v1(77.72,93.68) J701.13 ; J701.13 v1(78.91,94.86) ; J701.13 v1(80.09,93.68) ; J701.13 v1(78.91,92.5) ; v1(78.52,103.28) J701.12 v1(79.81,101.65) ; J701.11 v1(65.3,103.28) ; J701.11 v1(63.31,103.28) ; J701.11 v1(64.31,105.07) ; J701.11 v1(64.31,101.79)
  vias: v1(0.88,3.15) v1(1.01,95.17) v1(1.12,46.51) v1(1.12,45.24) v1(1.12,43.97) v1(1.12,42.7) v1(1.12,41.43) v1(1.12,40.16) v1(1.07,38.89) v1(1.07,37.62) v1(1.07,36.35) v1(1.07,35.08) v1(1.07,33.81) v1(1.07,32.54) v1(1.07,14.63) v1(1.07,13.36) v1(1.07,12.09) v1(1.07,10.82) v1(1.07,9.55) v1(1.07,8.28) v1(1.22,73.96) v1(1.22,72.69) v1(1.22,71.42) v1(1.22,70.15) v1(1.22,68.88) v1(1.22,67.61) v1(1.19,65.89) v1(1.19,64.62) v1(1.19,63.35) v1(1.19,62.08) v1(1.19,60.81) v1(1.19,59.54) v1(1.27,82.54) v1(1.27,81.27) v1(1.27,80) v1(1.27,78.73) v1(1.27,77.46) v1(1.27,76.19) v1(1.42,6.6) v1(1.55,4.75) v1(1.57,1.61) v1(1.68,96.77) v1(1.7,93.63) v1(1.8,91.69) v1(1.93,89.38) v1(1.93,88.11) v1(1.93,86.84) v1(1.93,85.57) v1(1.93,84.3) v1(2.13,100.33) v1(2.13,99.06) v1(2.46,106.43) v1(2.46,105.16) v1(2.51,46.43) v1(2.51,45.16) v1(2.51,43.89) v1(2.51,42.62) v1(2.51,41.35) v1(2.51,40.08) v1(2.46,38.81) v1(2.46,37.54) v1(2.69,6.6) v1(3.07,91.69) v1(3.13,5.36) v1(3.26,97.38) v1(3.2,89.38) v1(3.2,85.57) v1(3.2,84.3) v1(3.16,0.94) v1(3.29,92.96) v1(3.28,88.19) v1(3.4,100.33) v1(3.4,99.06) v1(3.73,106.43) v1(3.73,105.16) v1(3.79,54.67) v1(4.34,91.69) v1(4.47,89.38) v1(4.67,100.33) v1(4.67,99.06) v1(4.68,54.67) v1(4.72,4.79) v1(4.84,96.81) v1(4.8,1.64) v1(4.92,93.66) v1(4.88,84.32) v1(5,106.43) v1(5,105.16) v1(4.98,85.55) v1(5.33,3.12) v1(5.45,95.14) v1(5.57,54.67) v1(5.74,91.69) v1(5.69,86.21) v1(5.94,100.33) v1(5.94,99.06) v1(6.27,106.43) v1(6.27,105.16) v1(7.42,91.72) v1(7.37,63.5) v1(7.37,62.23) v1(7.37,60.96) v1(7.37,59.69) v1(7.37,58.42) v1(7.59,86.06) v1(8.14,39.86) v1(8.14,38.59) v1(8.14,37.32) v1(8.14,36.05) v1(8.25,63.5) v1(8.25,62.23) v1(8.25,60.96) v1(8.25,59.69) v1(8.25,58.42) v1(8.94,91.72) v1(8.97,86.33) v1(9.03,39.86) v1(9.03,38.59) v1(9.03,37.32) v1(9.03,36.05) v1(9.14,63.5) v1(9.14,62.23) v1(9.14,60.96) v1(9.14,59.69) v1(9.14,58.42) v1(9.3,81.4) v1(9.55,106.3) v1(9.55,105.03) v1(10.03,63.5) v1(10.03,62.23) v1(10.03,60.96) v1(10.03,59.69) v1(10.03,58.42) v1(10.18,83.11) v1(10.19,79.68) v1(10.41,71.25) v1(10.82,106.3) v1(10.82,105.03) v1(10.85,99.31) v1(11,87.1) v1(11.18,70.93) v1(11.3,93.4) v1(11.33,89.59) v1(11.68,91.26) v1(11.89,83.99) v1(11.89,78.81) v1(11.95,38.77) v1(11.95,37.5) v1(11.95,36.23) v1(12.09,106.3) v1(12.09,105.03) v1(12.12,88.6) v1(12.17,99.34) v1(12.5,93.45) v1(12.84,38.77) v1(12.84,37.5) v1(12.84,36.23) v1(12.88,85.17) v1(13.16,89.74) v1(13.18,99.36) v1(13.23,92.13) v1(13.36,106.3) v1(13.36,105.03) v1(13.55,83.06) v1(13.58,79.71) v1(14,86.66) v1(14.34,99.28) v1(14.48,81.4) v1(14.63,106.3) v1(14.63,105.03) v1(14.83,91.06) v1(15.06,87.83) v1(15.08,9.25) v1(15.08,8.61) v1(15.54,1.5) v1(15.72,9.25) v1(15.72,8.61) v1(15.9,106.3) v1(15.9,105.03) v1(16.26,90.09) v1(16.41,84.49) v1(16.59,81.51) v1(16.76,86.18) v1(16.81,1.5) v1(17.41,83.24) v1(17.58,106.3) v1(17.58,105.03) v1(18.31,79.81) v1(18.59,49.81) v1(18.75,84.15) v1(18.75,76.99) v1(18.85,106.3) v1(18.85,105.03) v1(18.86,87.99) v1(19.19,99.97) v1(19.28,20.65) v1(19.43,81.31) v1(19.51,86.64) v1(19.69,33.85) v1(19.81,19.63) v1(19.95,36.64) v1(20.12,106.3) v1(20.12,105.03) v1(20.47,82.45) v1(20.7,33.85) v1(20.83,85.27) v1(20.9,77.18) v1(20.97,36.64) v1(21.39,106.3) v1(21.39,105.03) v1(21.72,33.85) v1(21.82,91.49) v1(21.98,36.64) v1(22.2,1.3) v1(22.66,106.3) v1(22.66,105.03) v1(23.11,93.29) v1(23.08,66.03) v1(23.08,65.14) v1(23.1,33.85) v1(23.17,77.44) v1(23.36,36.64) v1(23.52,60.16) v1(23.52,59.27) v1(23.47,1.3) v1(23.8,10.26) v1(23.93,106.3) v1(23.93,105.03) v1(24.03,8.71) v1(24.12,33.85) v1(24.33,77.9) v1(24.35,66.03) v1(24.35,65.14) v1(24.38,36.64) v1(24.74,1.3) v1(24.79,60.16) v1(24.79,59.27) v1(25.13,33.85) v1(25.22,8.68) v1(25.4,36.64) v1(25.62,66.03) v1(25.62,65.14) v1(26.06,60.16) v1(26.06,59.27) v1(26.01,1.3) v1(26.8,77.9) v1(27.28,1.3) v1(28.14,18.22) v1(28.14,17.6) v1(28.32,81.89) v1(28.76,18.22) v1(28.76,17.6) v1(29.16,77.88) v1(30.55,68.65) v1(30.55,67.76) v1(30.51,1.22) v1(30.63,81.91) v1(31.55,77.88) v1(31.75,106.53) v1(31.75,105.26) v1(31.67,86.34) v1(31.73,9.67) v1(31.73,9.04) v1(31.78,1.22) v1(31.95,57.12) v1(31.95,56.23) v1(32.24,34.26) v1(32.24,32.99) v1(32.24,31.72) v1(32.37,9.67) v1(32.37,9.04) v1(32.77,43.94) v1(32.77,43.31) v1(32.77,38.86) v1(32.77,38.23) v1(33.02,106.53) v1(33.02,105.26) v1(33.05,99.31) v1(33.05,1.22) v1(33.13,34.26) v1(33.13,32.99) v1(33.13,31.72) v1(33.25,93.52) v1(33.38,88.21) v1(33.53,43.94) v1(33.53,43.31) v1(33.53,38.86) v1(33.53,38.23) v1(33.63,65.9) v1(33.96,77.9) v1(34.29,106.53) v1(34.29,105.26) v1(34.26,65.9) v1(34.29,43.94) v1(34.29,43.31) v1(34.26,38.86) v1(34.29,38.2) v1(34.32,1.22) v1(34.37,99.34) v1(34.77,93.47) v1(35.43,99.29) v1(35.56,106.53) v1(35.56,105.26) v1(35.59,1.22) v1(36.05,34.43) v1(36.05,33.16) v1(36.05,31.89) v1(36.05,30.62) v1(36.73,99.34) v1(36.83,106.53) v1(36.83,105.26) v1(36.94,34.43) v1(36.94,33.16) v1(36.94,31.89) v1(36.94,30.62) v1(38.1,106.53) v1(38.1,105.26) v1(38.12,77.93) v1(38.89,1.24) v1(39.34,106.45) v1(39.34,105.31) v1(40.14,77.95) v1(40.16,1.24) v1(40.61,106.58) v1(40.61,105.31) v1(40.67,8.55) v1(40.86,61.08) v1(40.86,60.32) v1(40.86,59.55) v1(41.38,93.4) v1(41.43,1.24) v1(41.63,61.08) v1(41.63,60.32) v1(41.63,59.55) v1(41.8,36.93) v1(41.88,106.58) v1(41.88,105.31) v1(41.9,11.49) v1(41.92,8.55) v1(42.17,77.93) v1(42.33,47.02) v1(42.7,1.24) v1(43.15,106.58) v1(43.15,105.31) v1(43.33,93.45) v1(43.41,46.2) v1(43.97,1.24) v1(44.42,106.58) v1(44.42,105.31) v1(44.76,18.24) v1(44.76,17.61) v1(45.23,45.13) v1(45.39,18.24) v1(45.39,17.61) v1(45.69,106.58) v1(45.69,105.31) v1(45.95,99.85) v1(45.96,44.71) v1(46.76,93.52) v1(47.37,1.7) v1(48.22,88.21) v1(48.64,1.7) v1(48.92,31.62) v1(49.22,25.17) v1(49.42,64.38) v1(49.51,32.49) v1(49.83,66.47) v1(49.91,1.7) v1(51.26,20.12) v1(51.18,1.7) v1(51.39,29.18) v1(51.94,57.91) v1(52.42,66.47) v1(52.45,1.7) v1(52.7,57.91) v1(53.31,55.93) v1(53.7,20.07) v1(53.97,1.7) v1(54.1,81.4) v1(54.1,36.6) v1(54.79,82.92) v1(55.03,79.6) v1(55.01,38.32) v1(55.03,34.83) v1(55.24,1.7) v1(56.26,19.74) v1(56.52,1.7) v1(56.69,83.99) v1(56.69,78.81) v1(56.69,59.46) v1(56.69,39.19) v1(56.69,34.01) v1(57.1,55.11) v1(57.48,24.41) v1(57.49,11.78) v1(57.78,1.7) v1(58.44,38.2) v1(58.52,82.9) v1(58.54,79.68) v1(58.55,35.02) v1(58.72,12.64) v1(58.98,21.41) v1(59.14,57.32) v1(59.28,81.4) v1(59.28,36.6) v1(59.51,1.73) v1(59.99,59.21) v1(59.99,11.78) v1(61.04,22.68) v1(60.99,1.78) v1(61.2,31.52) v1(61.78,35.87) v1(62,87.63) v1(62.26,1.78) v1(62.56,37.65) v1(62.59,33.95) v1(62.71,70.79) v1(63.53,1.78) v1(63.9,73.48) v1(63.91,70.79) v1(64.29,79.78) v1(64.3,77.63) v1(64.47,38.49) v1(64.47,33.21) v1(64.81,26.32) v1(65.05,85.79) v1(65.15,106.76) v1(65.15,105.49) v1(65.38,102.34) v1(65.38,101.07) v1(65.43,30.01) v1(65.58,22.62) v1(65.79,1.85) v1(66.03,73.44) v1(66.35,79.82) v1(66.34,65.41) v1(66.42,106.76) v1(66.42,105.49) v1(66.4,37.57) v1(66.46,34.12) v1(66.65,102.34) v1(66.65,101.07) v1(67.06,1.85) v1(67.12,35.9) v1(67.71,94.42) v1(67.89,106.83) v1(67.89,105.56) v1(68.33,1.85) v1(69.16,106.83) v1(69.16,105.56) v1(69.29,87.48) v1(69.6,1.85) v1(70.2,80.34) v1(70.93,87.3) v1(70.87,1.85) v1(71.46,80.34) v1(71.46,79.08) v1(72.71,24.63) v1(72.79,87.93) v1(73.15,57.91) v1(73.21,94.42) v1(73.48,5.64) v1(73.48,4.37) v1(73.91,57.91) v1(74.31,94.42) v1(74.6,106.73) v1(74.6,105.46) v1(74.75,5.64) v1(74.75,4.37) v1(75.87,106.73) v1(75.87,105.46) v1(76.17,64.38) v1(76.17,5.66) v1(76.17,4.39) v1(76.66,101.83) v1(76.66,100.56) v1(76.58,66.47) v1(77.44,5.66) v1(77.44,4.39) v1(77.93,101.83) v1(77.93,100.56) v1(78.71,5.66) v1(78.71,4.39) v1(79.17,66.47) v1(79.98,5.66) v1(79.98,4.39) v1(80.54,96.37) v1(80.54,95.1) v1(80.98,93.47) v1(80.98,92.2) v1(81.25,5.66) v1(81.25,4.39) v1(81.38,9.17) v1(81.41,8.13) v1(81.41,6.86) v1(81.81,96.37) v1(81.81,95.1) v1(82.25,93.47) v1(82.25,92.2) v1(82.65,9.17) v1(82.68,8.13) v1(82.68,6.86) v1(83.36,95.16) v1(83.4,18.36) v1(83.38,3.2) v1(83.63,21.15) v1(84.03,96.76) v1(84.05,93.62) v1(84.04,4.81) v1(84.07,1.66) v1(84.39,84.26) v1(84.38,22.45) v1(85.61,97.37) v1(85.64,92.94) v1(85.62,5.42) v1(85.66,0.99) v1(86.71,87.19) v1(87.2,96.79) v1(87.21,4.84) v1(87.28,93.65) v1(87.29,1.7) v1(87.43,19.71) v1(87.43,18.44) v1(87.48,28.24) v1(87.48,26.97) v1(87.48,25.7) v1(87.48,24.43) v1(87.48,23.16) v1(87.48,21.89) v1(87.6,14.43) v1(87.6,13.16) v1(87.6,11.89) v1(87.6,10.62) v1(87.6,9.35) v1(87.6,8.08) v1(87.81,95.12) v1(87.82,3.17)
